# KiCad board panel.kicad_pcb (continued)
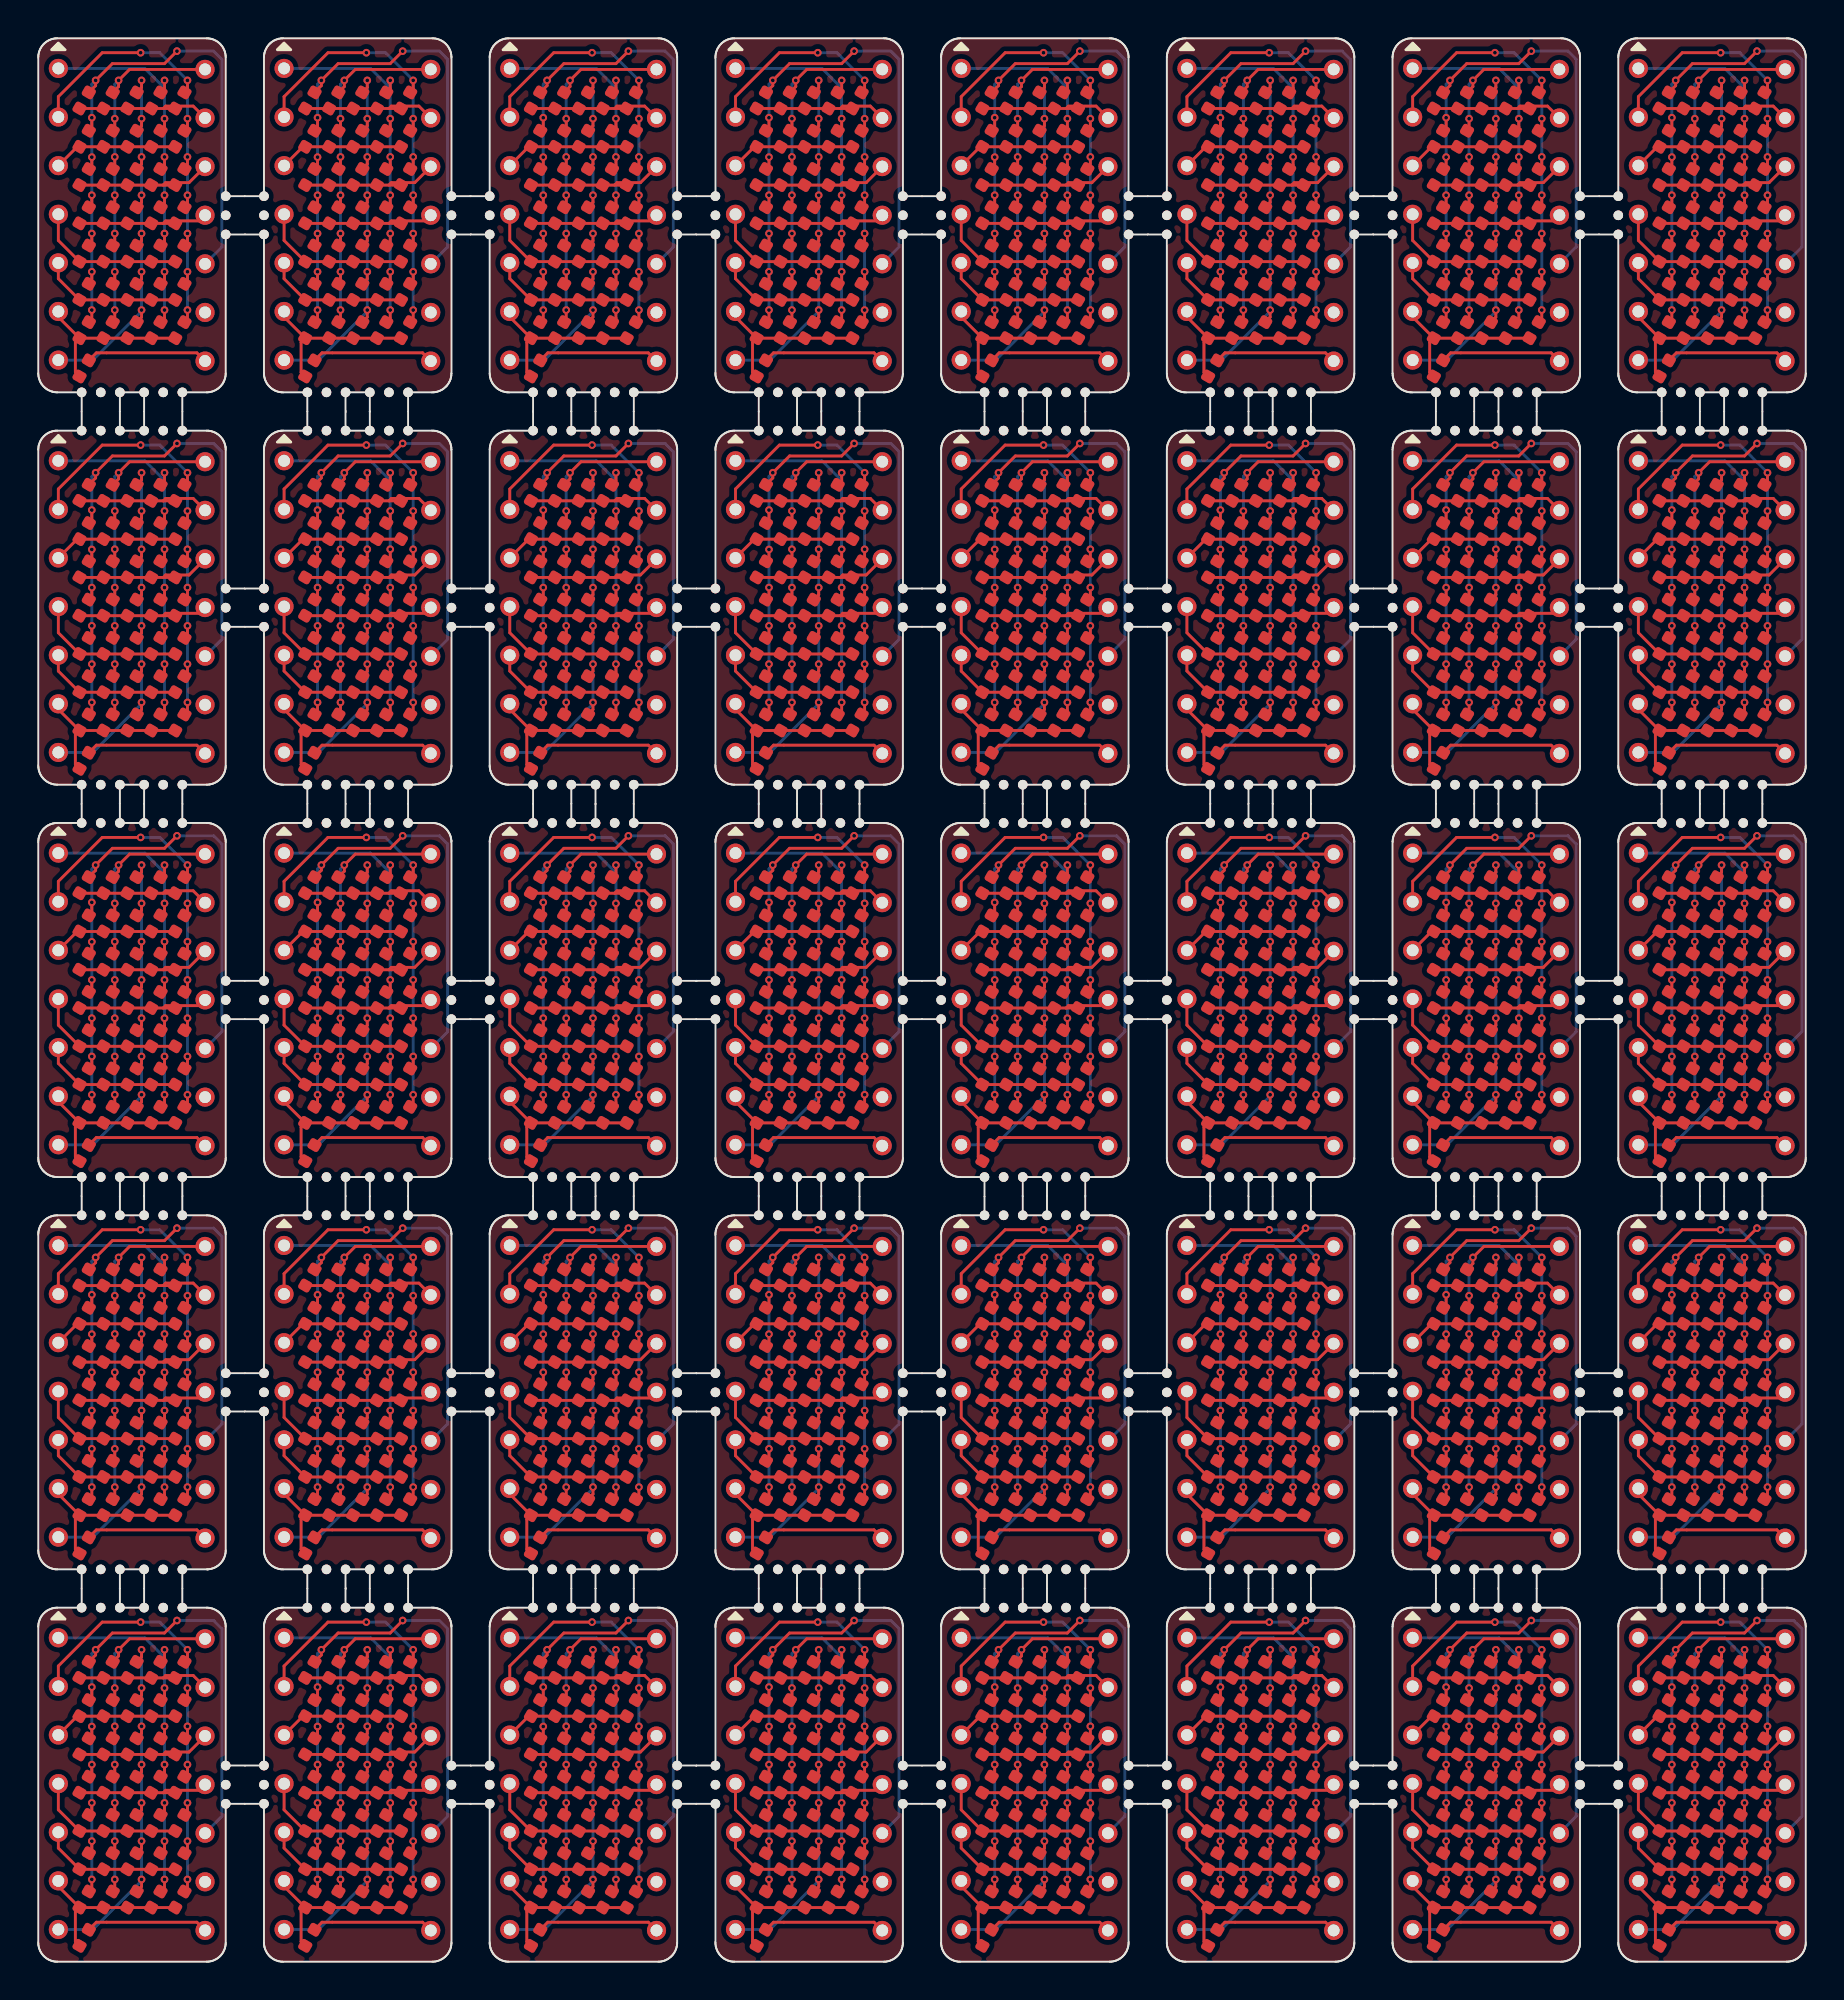
[diagram p0: board, top side]
## Placement (name value [footprint] x y rotation side) (continued)
D35#37  LED  [LED_0402_1005Metric]  7.4 5.25 60 top
D35#38  LED  [LED_0402_1005Metric]  90 87.25 60 top
D35#39  LED  [LED_0402_1005Metric]  7.4 25.75 60 top
D35#40  LED  [LED_0402_1005Metric]  42.8 25.75 60 top
D36  LED  [LED_0402_1005Metric]  90 64.75 60 top
D36#2  LED  [LED_0402_1005Metric]  19.2 44.25 60 top
D36#3  LED  [LED_0402_1005Metric]  7.4 23.75 60 top
D36#4  LED  [LED_0402_1005Metric]  42.8 23.75 60 top
D36#5  LED  [LED_0402_1005Metric]  90 85.25 60 top
D36#6  LED  [LED_0402_1005Metric]  66.4 44.25 60 top
D36#7  LED  [LED_0402_1005Metric]  31 23.75 60 top
D36#8  LED  [LED_0402_1005Metric]  54.6 85.25 60 top
D36#9  LED  [LED_0402_1005Metric]  54.6 64.75 60 top
D36#10  LED  [LED_0402_1005Metric]  42.8 64.75 60 top
D36#11  LED  [LED_0402_1005Metric]  66.4 64.75 60 top
D36#12  LED  [LED_0402_1005Metric]  54.6 23.75 60 top
D36#13  LED  [LED_0402_1005Metric]  66.4 3.25 60 top
D36#14  LED  [LED_0402_1005Metric]  19.2 3.25 60 top
D36#15  LED  [LED_0402_1005Metric]  7.4 85.25 60 top
D36#16  LED  [LED_0402_1005Metric]  66.4 23.75 60 top
D36#17  LED  [LED_0402_1005Metric]  78.2 23.75 60 top
D36#18  LED  [LED_0402_1005Metric]  78.2 3.25 60 top
D36#19  LED  [LED_0402_1005Metric]  42.8 3.25 60 top
D36#20  LED  [LED_0402_1005Metric]  19.2 64.75 60 top
D36#21  LED  [LED_0402_1005Metric]  7.4 3.25 60 top
D36#22  LED  [LED_0402_1005Metric]  90 3.25 60 top
D36#23  LED  [LED_0402_1005Metric]  7.4 64.75 60 top
D36#24  LED  [LED_0402_1005Metric]  78.2 44.25 60 top
D36#25  LED  [LED_0402_1005Metric]  31 44.25 60 top
D36#26  LED  [LED_0402_1005Metric]  19.2 23.75 60 top
D36#27  LED  [LED_0402_1005Metric]  19.2 85.25 60 top
D36#28  LED  [LED_0402_1005Metric]  31 85.25 60 top
D36#29  LED  [LED_0402_1005Metric]  90 23.75 60 top
D36#30  LED  [LED_0402_1005Metric]  78.2 64.75 60 top
D36#31  LED  [LED_0402_1005Metric]  90 44.25 60 top
D36#32  LED  [LED_0402_1005Metric]  42.8 44.25 60 top
D36#33  LED  [LED_0402_1005Metric]  31 3.25 60 top
D36#34  LED  [LED_0402_1005Metric]  31 64.75 60 top
D36#35  LED  [LED_0402_1005Metric]  54.6 3.25 60 top
D36#36  LED  [LED_0402_1005Metric]  42.8 85.25 60 top
D36#37  LED  [LED_0402_1005Metric]  78.2 85.25 60 top
D36#38  LED  [LED_0402_1005Metric]  66.4 85.25 60 top
D36#39  LED  [LED_0402_1005Metric]  7.4 44.25 60 top
D36#40  LED  [LED_0402_1005Metric]  54.6 44.25 60 top
J1  Conn_01x07  [PinHeader_1x07_P2.54mm_Vertical]  12.85 37.42 0 top
J1#2  Conn_01x07  [PinHeader_1x07_P2.54mm_Vertical]  24.65 78.42 0 top
J1#3  Conn_01x07  [PinHeader_1x07_P2.54mm_Vertical]  60.05 16.92 0 top
J1#4  Conn_01x07  [PinHeader_1x07_P2.54mm_Vertical]  71.85 57.92 0 top
J1#5  Conn_01x07  [PinHeader_1x07_P2.54mm_Vertical]  12.85 78.42 0 top
J1#6  Conn_01x07  [PinHeader_1x07_P2.54mm_Vertical]  24.65 16.92 0 top
J1#7  Conn_01x07  [PinHeader_1x07_P2.54mm_Vertical]  71.85 78.42 0 top
J1#8  Conn_01x07  [PinHeader_1x07_P2.54mm_Vertical]  71.85 98.92 0 top
J1#9  Conn_01x07  [PinHeader_1x07_P2.54mm_Vertical]  12.85 16.92 0 top
J1#10  Conn_01x07  [PinHeader_1x07_P2.54mm_Vertical]  12.85 57.92 0 top
J1#11  Conn_01x07  [PinHeader_1x07_P2.54mm_Vertical]  83.65 78.42 0 top
J1#12  Conn_01x07  [PinHeader_1x07_P2.54mm_Vertical]  60.05 57.92 0 top
J1#13  Conn_01x07  [PinHeader_1x07_P2.54mm_Vertical]  71.85 37.42 0 top
J1#14  Conn_01x07  [PinHeader_1x07_P2.54mm_Vertical]  83.65 37.42 0 top
J1#15  Conn_01x07  [PinHeader_1x07_P2.54mm_Vertical]  24.65 57.92 0 top
J1#16  Conn_01x07  [PinHeader_1x07_P2.54mm_Vertical]  24.65 37.42 0 top
J1#17  Conn_01x07  [PinHeader_1x07_P2.54mm_Vertical]  48.25 37.42 0 top
J1#18  Conn_01x07  [PinHeader_1x07_P2.54mm_Vertical]  36.45 16.92 0 top
J1#19  Conn_01x07  [PinHeader_1x07_P2.54mm_Vertical]  1.05 98.92 0 top
J1#20  Conn_01x07  [PinHeader_1x07_P2.54mm_Vertical]  12.85 98.92 0 top
J1#21  Conn_01x07  [PinHeader_1x07_P2.54mm_Vertical]  48.25 98.92 0 top
J1#22  Conn_01x07  [PinHeader_1x07_P2.54mm_Vertical]  36.45 57.92 0 top
J1#23  Conn_01x07  [PinHeader_1x07_P2.54mm_Vertical]  24.65 98.92 0 top
J1#24  Conn_01x07  [PinHeader_1x07_P2.54mm_Vertical]  36.45 78.42 0 top
J1#25  Conn_01x07  [PinHeader_1x07_P2.54mm_Vertical]  1.05 16.92 0 top
J1#26  Conn_01x07  [PinHeader_1x07_P2.54mm_Vertical]  83.65 16.92 0 top
J1#27  Conn_01x07  [PinHeader_1x07_P2.54mm_Vertical]  1.05 78.42 0 top
J1#28  Conn_01x07  [PinHeader_1x07_P2.54mm_Vertical]  1.05 57.92 0 top
J1#29  Conn_01x07  [PinHeader_1x07_P2.54mm_Vertical]  48.25 57.92 0 top
J1#30  Conn_01x07  [PinHeader_1x07_P2.54mm_Vertical]  60.05 37.42 0 top
J1#31  Conn_01x07  [PinHeader_1x07_P2.54mm_Vertical]  36.45 98.92 0 top
J1#32  Conn_01x07  [PinHeader_1x07_P2.54mm_Vertical]  83.65 98.92 0 top
J1#33  Conn_01x07  [PinHeader_1x07_P2.54mm_Vertical]  71.85 16.92 0 top
J1#34  Conn_01x07  [PinHeader_1x07_P2.54mm_Vertical]  1.05 37.42 0 top
J1#35  Conn_01x07  [PinHeader_1x07_P2.54mm_Vertical]  48.25 16.92 0 top
J1#36  Conn_01x07  [PinHeader_1x07_P2.54mm_Vertical]  83.65 57.92 0 top
J1#37  Conn_01x07  [PinHeader_1x07_P2.54mm_Vertical]  36.45 37.42 0 top
J1#38  Conn_01x07  [PinHeader_1x07_P2.54mm_Vertical]  48.25 78.42 0 top
J1#39  Conn_01x07  [PinHeader_1x07_P2.54mm_Vertical]  60.05 78.42 0 top
J1#40  Conn_01x07  [PinHeader_1x07_P2.54mm_Vertical]  60.05 98.92 0 top
J2  Conn_01x07  [PinHeader_1x07_P2.54mm_Vertical]  8.72 57.88 0 top
J2#2  Conn_01x07  [PinHeader_1x07_P2.54mm_Vertical]  32.32 98.88 0 top
J2#3  Conn_01x07  [PinHeader_1x07_P2.54mm_Vertical]  67.72 57.88 0 top
J2#4  Conn_01x07  [PinHeader_1x07_P2.54mm_Vertical]  67.72 78.38 0 top
J2#5  Conn_01x07  [PinHeader_1x07_P2.54mm_Vertical]  8.72 98.88 0 top
J2#6  Conn_01x07  [PinHeader_1x07_P2.54mm_Vertical]  44.12 16.88 0 top
J2#7  Conn_01x07  [PinHeader_1x07_P2.54mm_Vertical]  91.32 78.38 0 top
J2#8  Conn_01x07  [PinHeader_1x07_P2.54mm_Vertical]  32.32 57.88 0 top
J2#9  Conn_01x07  [PinHeader_1x07_P2.54mm_Vertical]  91.32 16.88 0 top
J2#10  Conn_01x07  [PinHeader_1x07_P2.54mm_Vertical]  79.52 98.88 0 top
J2#11  Conn_01x07  [PinHeader_1x07_P2.54mm_Vertical]  55.92 16.88 0 top
J2#12  Conn_01x07  [PinHeader_1x07_P2.54mm_Vertical]  20.52 16.88 0 top
J2#13  Conn_01x07  [PinHeader_1x07_P2.54mm_Vertical]  91.32 98.88 0 top
J2#14  Conn_01x07  [PinHeader_1x07_P2.54mm_Vertical]  79.52 37.38 0 top
J2#15  Conn_01x07  [PinHeader_1x07_P2.54mm_Vertical]  79.52 78.38 0 top
J2#16  Conn_01x07  [PinHeader_1x07_P2.54mm_Vertical]  91.32 57.88 0 top
J2#17  Conn_01x07  [PinHeader_1x07_P2.54mm_Vertical]  8.72 16.88 0 top
J2#18  Conn_01x07  [PinHeader_1x07_P2.54mm_Vertical]  67.72 37.38 0 top
J2#19  Conn_01x07  [PinHeader_1x07_P2.54mm_Vertical]  20.52 37.38 0 top
J2#20  Conn_01x07  [PinHeader_1x07_P2.54mm_Vertical]  20.52 57.88 0 top
J2#21  Conn_01x07  [PinHeader_1x07_P2.54mm_Vertical]  55.92 37.38 0 top
J2#22  Conn_01x07  [PinHeader_1x07_P2.54mm_Vertical]  32.32 78.38 0 top
J2#23  Conn_01x07  [PinHeader_1x07_P2.54mm_Vertical]  55.92 98.88 0 top
J2#24  Conn_01x07  [PinHeader_1x07_P2.54mm_Vertical]  91.32 37.38 0 top
J2#25  Conn_01x07  [PinHeader_1x07_P2.54mm_Vertical]  67.72 16.88 0 top
J2#26  Conn_01x07  [PinHeader_1x07_P2.54mm_Vertical]  44.12 78.38 0 top
J2#27  Conn_01x07  [PinHeader_1x07_P2.54mm_Vertical]  8.72 78.38 0 top
J2#28  Conn_01x07  [PinHeader_1x07_P2.54mm_Vertical]  44.12 37.38 0 top
J2#29  Conn_01x07  [PinHeader_1x07_P2.54mm_Vertical]  44.12 57.88 0 top
J2#30  Conn_01x07  [PinHeader_1x07_P2.54mm_Vertical]  32.32 37.38 0 top
J2#31  Conn_01x07  [PinHeader_1x07_P2.54mm_Vertical]  32.32 16.88 0 top
J2#32  Conn_01x07  [PinHeader_1x07_P2.54mm_Vertical]  20.52 78.38 0 top
J2#33  Conn_01x07  [PinHeader_1x07_P2.54mm_Vertical]  79.52 16.88 0 top
J2#34  Conn_01x07  [PinHeader_1x07_P2.54mm_Vertical]  55.92 78.38 0 top
J2#35  Conn_01x07  [PinHeader_1x07_P2.54mm_Vertical]  55.92 57.88 0 top
J2#36  Conn_01x07  [PinHeader_1x07_P2.54mm_Vertical]  44.12 98.88 0 top
J2#37  Conn_01x07  [PinHeader_1x07_P2.54mm_Vertical]  8.72 37.38 0 top
J2#38  Conn_01x07  [PinHeader_1x07_P2.54mm_Vertical]  79.52 57.88 0 top
J2#39  Conn_01x07  [PinHeader_1x07_P2.54mm_Vertical]  67.72 98.88 0 top
J2#40  Conn_01x07  [PinHeader_1x07_P2.54mm_Vertical]  20.52 98.88 0 top
KiKit_MB_1_1  -  [NPTH]  9.8 92.25 0 top
KiKit_MB_1_2  -  [NPTH]  9.8 91.25 0 top
KiKit_MB_1_3  -  [NPTH]  9.8 90.25 0 top
KiKit_MB_2_1  -  [NPTH]  4.27 82 0 top
KiKit_MB_2_2  -  [NPTH]  3.27 82 0 top
KiKit_MB_2_3  -  [NPTH]  2.27 82 0 top
KiKit_MB_3_1  -  [NPTH]  7.53 82 0 top
KiKit_MB_3_2  -  [NPTH]  6.53 82 0 top
KiKit_MB_3_3  -  [NPTH]  5.53 82 0 top
KiKit_MB_4_1  -  [NPTH]  11.8 90.25 0 top
KiKit_MB_4_2  -  [NPTH]  11.8 91.25 0 top
KiKit_MB_4_3  -  [NPTH]  11.8 92.25 0 top
KiKit_MB_5_1  -  [NPTH]  21.6 92.25 0 top
KiKit_MB_5_2  -  [NPTH]  21.6 91.25 0 top
KiKit_MB_5_3  -  [NPTH]  21.6 90.25 0 top
KiKit_MB_6_1  -  [NPTH]  16.07 82 0 top
KiKit_MB_6_2  -  [NPTH]  15.07 82 0 top
KiKit_MB_6_3  -  [NPTH]  14.07 82 0 top
KiKit_MB_7_1  -  [NPTH]  19.33 82 0 top
KiKit_MB_7_2  -  [NPTH]  18.33 82 0 top
KiKit_MB_7_3  -  [NPTH]  17.33 82 0 top
KiKit_MB_8_1  -  [NPTH]  23.6 90.25 0 top
KiKit_MB_8_2  -  [NPTH]  23.6 91.25 0 top
KiKit_MB_8_3  -  [NPTH]  23.6 92.25 0 top
KiKit_MB_9_1  -  [NPTH]  33.4 92.25 0 top
KiKit_MB_9_2  -  [NPTH]  33.4 91.25 0 top
KiKit_MB_9_3  -  [NPTH]  33.4 90.25 0 top
KiKit_MB_10_1  -  [NPTH]  27.87 82 0 top
KiKit_MB_10_2  -  [NPTH]  26.87 82 0 top
KiKit_MB_10_3  -  [NPTH]  25.87 82 0 top
KiKit_MB_11_1  -  [NPTH]  31.13 82 0 top
KiKit_MB_11_2  -  [NPTH]  30.13 82 0 top
KiKit_MB_11_3  -  [NPTH]  29.13 82 0 top
KiKit_MB_12_1  -  [NPTH]  35.4 90.25 0 top
KiKit_MB_12_2  -  [NPTH]  35.4 91.25 0 top
KiKit_MB_12_3  -  [NPTH]  35.4 92.25 0 top
KiKit_MB_13_1  -  [NPTH]  45.2 92.25 0 top
KiKit_MB_13_2  -  [NPTH]  45.2 91.25 0 top
KiKit_MB_13_3  -  [NPTH]  45.2 90.25 0 top
KiKit_MB_14_1  -  [NPTH]  39.67 82 0 top
KiKit_MB_14_2  -  [NPTH]  38.67 82 0 top
KiKit_MB_14_3  -  [NPTH]  37.67 82 0 top
KiKit_MB_15_1  -  [NPTH]  42.93 82 0 top
KiKit_MB_15_2  -  [NPTH]  41.93 82 0 top
KiKit_MB_15_3  -  [NPTH]  40.93 82 0 top
KiKit_MB_16_1  -  [NPTH]  47.2 90.25 0 top
KiKit_MB_16_2  -  [NPTH]  47.2 91.25 0 top
KiKit_MB_16_3  -  [NPTH]  47.2 92.25 0 top
KiKit_MB_17_1  -  [NPTH]  57 92.25 0 top
KiKit_MB_17_2  -  [NPTH]  57 91.25 0 top
KiKit_MB_17_3  -  [NPTH]  57 90.25 0 top
KiKit_MB_18_1  -  [NPTH]  51.47 82 0 top
KiKit_MB_18_2  -  [NPTH]  50.47 82 0 top
KiKit_MB_18_3  -  [NPTH]  49.47 82 0 top
KiKit_MB_19_1  -  [NPTH]  54.73 82 0 top
KiKit_MB_19_2  -  [NPTH]  53.73 82 0 top
KiKit_MB_19_3  -  [NPTH]  52.73 82 0 top
KiKit_MB_20_1  -  [NPTH]  59 90.25 0 top
KiKit_MB_20_2  -  [NPTH]  59 91.25 0 top
KiKit_MB_20_3  -  [NPTH]  59 92.25 0 top
KiKit_MB_21_1  -  [NPTH]  68.8 92.25 0 top
KiKit_MB_21_2  -  [NPTH]  68.8 91.25 0 top
KiKit_MB_21_3  -  [NPTH]  68.8 90.25 0 top
KiKit_MB_22_1  -  [NPTH]  63.27 82 0 top
KiKit_MB_22_2  -  [NPTH]  62.27 82 0 top
KiKit_MB_22_3  -  [NPTH]  61.27 82 0 top
KiKit_MB_23_1  -  [NPTH]  66.53 82 0 top
KiKit_MB_23_2  -  [NPTH]  65.53 82 0 top
KiKit_MB_23_3  -  [NPTH]  64.53 82 0 top
KiKit_MB_24_1  -  [NPTH]  70.8 90.25 0 top
KiKit_MB_24_2  -  [NPTH]  70.8 91.25 0 top
KiKit_MB_24_3  -  [NPTH]  70.8 92.25 0 top
KiKit_MB_25_1  -  [NPTH]  80.6 92.25 0 top
KiKit_MB_25_2  -  [NPTH]  80.6 91.25 0 top
KiKit_MB_25_3  -  [NPTH]  80.6 90.25 0 top
KiKit_MB_26_1  -  [NPTH]  75.07 82 0 top
KiKit_MB_26_2  -  [NPTH]  74.07 82 0 top
KiKit_MB_26_3  -  [NPTH]  73.07 82 0 top
KiKit_MB_27_1  -  [NPTH]  78.33 82 0 top
KiKit_MB_27_2  -  [NPTH]  77.33 82 0 top
KiKit_MB_27_3  -  [NPTH]  76.33 82 0 top
KiKit_MB_28_1  -  [NPTH]  82.6 90.25 0 top
KiKit_MB_28_2  -  [NPTH]  82.6 91.25 0 top
KiKit_MB_28_3  -  [NPTH]  82.6 92.25 0 top
KiKit_MB_29_1  -  [NPTH]  86.87 82 0 top
KiKit_MB_29_2  -  [NPTH]  85.87 82 0 top
KiKit_MB_29_3  -  [NPTH]  84.87 82 0 top
KiKit_MB_30_1  -  [NPTH]  90.13 82 0 top
KiKit_MB_30_2  -  [NPTH]  89.13 82 0 top
KiKit_MB_30_3  -  [NPTH]  88.13 82 0 top
KiKit_MB_31_1  -  [NPTH]  9.8 71.75 0 top
KiKit_MB_31_2  -  [NPTH]  9.8 70.75 0 top
KiKit_MB_31_3  -  [NPTH]  9.8 69.75 0 top
KiKit_MB_32_1  -  [NPTH]  2.27 80 0 top
KiKit_MB_32_2  -  [NPTH]  3.27 80 0 top
KiKit_MB_32_3  -  [NPTH]  4.27 80 0 top
KiKit_MB_33_1  -  [NPTH]  5.53 80 0 top
KiKit_MB_33_2  -  [NPTH]  6.53 80 0 top
KiKit_MB_33_3  -  [NPTH]  7.53 80 0 top
KiKit_MB_34_1  -  [NPTH]  4.27 61.5 0 top
KiKit_MB_34_2  -  [NPTH]  3.27 61.5 0 top
KiKit_MB_34_3  -  [NPTH]  2.27 61.5 0 top
KiKit_MB_35_1  -  [NPTH]  7.53 61.5 0 top
KiKit_MB_35_2  -  [NPTH]  6.53 61.5 0 top
KiKit_MB_35_3  -  [NPTH]  5.53 61.5 0 top
KiKit_MB_36_1  -  [NPTH]  11.8 69.75 0 top
KiKit_MB_36_2  -  [NPTH]  11.8 70.75 0 top
KiKit_MB_36_3  -  [NPTH]  11.8 71.75 0 top
KiKit_MB_37_1  -  [NPTH]  21.6 71.75 0 top
KiKit_MB_37_2  -  [NPTH]  21.6 70.75 0 top
KiKit_MB_37_3  -  [NPTH]  21.6 69.75 0 top
KiKit_MB_38_1  -  [NPTH]  14.07 80 0 top
KiKit_MB_38_2  -  [NPTH]  15.07 80 0 top
KiKit_MB_38_3  -  [NPTH]  16.07 80 0 top
KiKit_MB_39_1  -  [NPTH]  17.33 80 0 top
KiKit_MB_39_2  -  [NPTH]  18.33 80 0 top
KiKit_MB_39_3  -  [NPTH]  19.33 80 0 top
KiKit_MB_40_1  -  [NPTH]  16.07 61.5 0 top
KiKit_MB_40_2  -  [NPTH]  15.07 61.5 0 top
KiKit_MB_40_3  -  [NPTH]  14.07 61.5 0 top
KiKit_MB_41_1  -  [NPTH]  19.33 61.5 0 top
KiKit_MB_41_2  -  [NPTH]  18.33 61.5 0 top
KiKit_MB_41_3  -  [NPTH]  17.33 61.5 0 top
KiKit_MB_42_1  -  [NPTH]  23.6 69.75 0 top
KiKit_MB_42_2  -  [NPTH]  23.6 70.75 0 top
KiKit_MB_42_3  -  [NPTH]  23.6 71.75 0 top
KiKit_MB_43_1  -  [NPTH]  33.4 71.75 0 top
KiKit_MB_43_2  -  [NPTH]  33.4 70.75 0 top
KiKit_MB_43_3  -  [NPTH]  33.4 69.75 0 top
KiKit_MB_44_1  -  [NPTH]  25.87 80 0 top
KiKit_MB_44_2  -  [NPTH]  26.87 80 0 top
KiKit_MB_44_3  -  [NPTH]  27.87 80 0 top
KiKit_MB_45_1  -  [NPTH]  29.13 80 0 top
KiKit_MB_45_2  -  [NPTH]  30.13 80 0 top
KiKit_MB_45_3  -  [NPTH]  31.13 80 0 top
KiKit_MB_46_1  -  [NPTH]  27.87 61.5 0 top
KiKit_MB_46_2  -  [NPTH]  26.87 61.5 0 top
KiKit_MB_46_3  -  [NPTH]  25.87 61.5 0 top
KiKit_MB_47_1  -  [NPTH]  31.13 61.5 0 top
KiKit_MB_47_2  -  [NPTH]  30.13 61.5 0 top
KiKit_MB_47_3  -  [NPTH]  29.13 61.5 0 top
KiKit_MB_48_1  -  [NPTH]  35.4 69.75 0 top
KiKit_MB_48_2  -  [NPTH]  35.4 70.75 0 top
KiKit_MB_48_3  -  [NPTH]  35.4 71.75 0 top
KiKit_MB_49_1  -  [NPTH]  45.2 71.75 0 top
KiKit_MB_49_2  -  [NPTH]  45.2 70.75 0 top
KiKit_MB_49_3  -  [NPTH]  45.2 69.75 0 top
KiKit_MB_50_1  -  [NPTH]  37.67 80 0 top
KiKit_MB_50_2  -  [NPTH]  38.67 80 0 top
KiKit_MB_50_3  -  [NPTH]  39.67 80 0 top
KiKit_MB_51_1  -  [NPTH]  40.93 80 0 top
KiKit_MB_51_2  -  [NPTH]  41.93 80 0 top
KiKit_MB_51_3  -  [NPTH]  42.93 80 0 top
KiKit_MB_52_1  -  [NPTH]  39.67 61.5 0 top
KiKit_MB_52_2  -  [NPTH]  38.67 61.5 0 top
KiKit_MB_52_3  -  [NPTH]  37.67 61.5 0 top
KiKit_MB_53_1  -  [NPTH]  42.93 61.5 0 top
KiKit_MB_53_2  -  [NPTH]  41.93 61.5 0 top
KiKit_MB_53_3  -  [NPTH]  40.93 61.5 0 top
KiKit_MB_54_1  -  [NPTH]  47.2 69.75 0 top
KiKit_MB_54_2  -  [NPTH]  47.2 70.75 0 top
KiKit_MB_54_3  -  [NPTH]  47.2 71.75 0 top
KiKit_MB_55_1  -  [NPTH]  57 71.75 0 top
KiKit_MB_55_2  -  [NPTH]  57 70.75 0 top
KiKit_MB_55_3  -  [NPTH]  57 69.75 0 top
KiKit_MB_56_1  -  [NPTH]  49.47 80 0 top
KiKit_MB_56_2  -  [NPTH]  50.47 80 0 top
KiKit_MB_56_3  -  [NPTH]  51.47 80 0 top
KiKit_MB_57_1  -  [NPTH]  52.73 80 0 top
KiKit_MB_57_2  -  [NPTH]  53.73 80 0 top
KiKit_MB_57_3  -  [NPTH]  54.73 80 0 top
KiKit_MB_58_1  -  [NPTH]  51.47 61.5 0 top
KiKit_MB_58_2  -  [NPTH]  50.47 61.5 0 top
KiKit_MB_58_3  -  [NPTH]  49.47 61.5 0 top
KiKit_MB_59_1  -  [NPTH]  54.73 61.5 0 top
KiKit_MB_59_2  -  [NPTH]  53.73 61.5 0 top
KiKit_MB_59_3  -  [NPTH]  52.73 61.5 0 top
KiKit_MB_60_1  -  [NPTH]  59 69.75 0 top
KiKit_MB_60_2  -  [NPTH]  59 70.75 0 top
KiKit_MB_60_3  -  [NPTH]  59 71.75 0 top
KiKit_MB_61_1  -  [NPTH]  68.8 71.75 0 top
KiKit_MB_61_2  -  [NPTH]  68.8 70.75 0 top
KiKit_MB_61_3  -  [NPTH]  68.8 69.75 0 top
KiKit_MB_62_1  -  [NPTH]  61.27 80 0 top
KiKit_MB_62_2  -  [NPTH]  62.27 80 0 top
KiKit_MB_62_3  -  [NPTH]  63.27 80 0 top
KiKit_MB_63_1  -  [NPTH]  64.53 80 0 top
KiKit_MB_63_2  -  [NPTH]  65.53 80 0 top
KiKit_MB_63_3  -  [NPTH]  66.53 80 0 top
KiKit_MB_64_1  -  [NPTH]  63.27 61.5 0 top
KiKit_MB_64_2  -  [NPTH]  62.27 61.5 0 top
KiKit_MB_64_3  -  [NPTH]  61.27 61.5 0 top
KiKit_MB_65_1  -  [NPTH]  66.53 61.5 0 top
KiKit_MB_65_2  -  [NPTH]  65.53 61.5 0 top
KiKit_MB_65_3  -  [NPTH]  64.53 61.5 0 top
KiKit_MB_66_1  -  [NPTH]  70.8 69.75 0 top
KiKit_MB_66_2  -  [NPTH]  70.8 70.75 0 top
KiKit_MB_66_3  -  [NPTH]  70.8 71.75 0 top
KiKit_MB_67_1  -  [NPTH]  80.6 71.75 0 top
KiKit_MB_67_2  -  [NPTH]  80.6 70.75 0 top
KiKit_MB_67_3  -  [NPTH]  80.6 69.75 0 top
KiKit_MB_68_1  -  [NPTH]  73.07 80 0 top
KiKit_MB_68_2  -  [NPTH]  74.07 80 0 top
KiKit_MB_68_3  -  [NPTH]  75.07 80 0 top
KiKit_MB_69_1  -  [NPTH]  76.33 80 0 top
KiKit_MB_69_2  -  [NPTH]  77.33 80 0 top
KiKit_MB_69_3  -  [NPTH]  78.33 80 0 top
KiKit_MB_70_1  -  [NPTH]  75.07 61.5 0 top
KiKit_MB_70_2  -  [NPTH]  74.07 61.5 0 top
KiKit_MB_70_3  -  [NPTH]  73.07 61.5 0 top
KiKit_MB_71_1  -  [NPTH]  78.33 61.5 0 top
KiKit_MB_71_2  -  [NPTH]  77.33 61.5 0 top
KiKit_MB_71_3  -  [NPTH]  76.33 61.5 0 top
KiKit_MB_72_1  -  [NPTH]  82.6 69.75 0 top
KiKit_MB_72_2  -  [NPTH]  82.6 70.75 0 top
KiKit_MB_72_3  -  [NPTH]  82.6 71.75 0 top
KiKit_MB_73_1  -  [NPTH]  84.87 80 0 top
KiKit_MB_73_2  -  [NPTH]  85.87 80 0 top
KiKit_MB_73_3  -  [NPTH]  86.87 80 0 top
KiKit_MB_74_1  -  [NPTH]  88.13 80 0 top
KiKit_MB_74_2  -  [NPTH]  89.13 80 0 top
KiKit_MB_74_3  -  [NPTH]  90.13 80 0 top
KiKit_MB_75_1  -  [NPTH]  86.87 61.5 0 top
KiKit_MB_75_2  -  [NPTH]  85.87 61.5 0 top
KiKit_MB_75_3  -  [NPTH]  84.87 61.5 0 top
KiKit_MB_76_1  -  [NPTH]  90.13 61.5 0 top
KiKit_MB_76_2  -  [NPTH]  89.13 61.5 0 top
KiKit_MB_76_3  -  [NPTH]  88.13 61.5 0 top
KiKit_MB_77_1  -  [NPTH]  9.8 51.25 0 top
KiKit_MB_77_2  -  [NPTH]  9.8 50.25 0 top
KiKit_MB_77_3  -  [NPTH]  9.8 49.25 0 top
KiKit_MB_78_1  -  [NPTH]  2.27 59.5 0 top
KiKit_MB_78_2  -  [NPTH]  3.27 59.5 0 top
KiKit_MB_78_3  -  [NPTH]  4.27 59.5 0 top
KiKit_MB_79_1  -  [NPTH]  5.53 59.5 0 top
KiKit_MB_79_2  -  [NPTH]  6.53 59.5 0 top
KiKit_MB_79_3  -  [NPTH]  7.53 59.5 0 top
KiKit_MB_80_1  -  [NPTH]  4.27 41 0 top
KiKit_MB_80_2  -  [NPTH]  3.27 41 0 top
KiKit_MB_80_3  -  [NPTH]  2.27 41 0 top
KiKit_MB_81_1  -  [NPTH]  7.53 41 0 top
KiKit_MB_81_2  -  [NPTH]  6.53 41 0 top
KiKit_MB_81_3  -  [NPTH]  5.53 41 0 top
KiKit_MB_82_1  -  [NPTH]  11.8 49.25 0 top
KiKit_MB_82_2  -  [NPTH]  11.8 50.25 0 top
KiKit_MB_82_3  -  [NPTH]  11.8 51.25 0 top
KiKit_MB_83_1  -  [NPTH]  21.6 51.25 0 top
KiKit_MB_83_2  -  [NPTH]  21.6 50.25 0 top
KiKit_MB_83_3  -  [NPTH]  21.6 49.25 0 top
KiKit_MB_84_1  -  [NPTH]  14.07 59.5 0 top
KiKit_MB_84_2  -  [NPTH]  15.07 59.5 0 top
KiKit_MB_84_3  -  [NPTH]  16.07 59.5 0 top
KiKit_MB_85_1  -  [NPTH]  17.33 59.5 0 top
KiKit_MB_85_2  -  [NPTH]  18.33 59.5 0 top
KiKit_MB_85_3  -  [NPTH]  19.33 59.5 0 top
KiKit_MB_86_1  -  [NPTH]  16.07 41 0 top
KiKit_MB_86_2  -  [NPTH]  15.07 41 0 top
KiKit_MB_86_3  -  [NPTH]  14.07 41 0 top
KiKit_MB_87_1  -  [NPTH]  19.33 41 0 top
KiKit_MB_87_2  -  [NPTH]  18.33 41 0 top
KiKit_MB_87_3  -  [NPTH]  17.33 41 0 top
KiKit_MB_88_1  -  [NPTH]  23.6 49.25 0 top
KiKit_MB_88_2  -  [NPTH]  23.6 50.25 0 top
KiKit_MB_88_3  -  [NPTH]  23.6 51.25 0 top
KiKit_MB_89_1  -  [NPTH]  33.4 51.25 0 top
KiKit_MB_89_2  -  [NPTH]  33.4 50.25 0 top
KiKit_MB_89_3  -  [NPTH]  33.4 49.25 0 top
KiKit_MB_90_1  -  [NPTH]  25.87 59.5 0 top
KiKit_MB_90_2  -  [NPTH]  26.87 59.5 0 top
KiKit_MB_90_3  -  [NPTH]  27.87 59.5 0 top
KiKit_MB_91_1  -  [NPTH]  29.13 59.5 0 top
KiKit_MB_91_2  -  [NPTH]  30.13 59.5 0 top
KiKit_MB_91_3  -  [NPTH]  31.13 59.5 0 top
KiKit_MB_92_1  -  [NPTH]  27.87 41 0 top
KiKit_MB_92_2  -  [NPTH]  26.87 41 0 top
KiKit_MB_92_3  -  [NPTH]  25.87 41 0 top
KiKit_MB_93_1  -  [NPTH]  31.13 41 0 top
KiKit_MB_93_2  -  [NPTH]  30.13 41 0 top
KiKit_MB_93_3  -  [NPTH]  29.13 41 0 top
KiKit_MB_94_1  -  [NPTH]  35.4 49.25 0 top
KiKit_MB_94_2  -  [NPTH]  35.4 50.25 0 top
KiKit_MB_94_3  -  [NPTH]  35.4 51.25 0 top
KiKit_MB_95_1  -  [NPTH]  45.2 51.25 0 top
KiKit_MB_95_2  -  [NPTH]  45.2 50.25 0 top
KiKit_MB_95_3  -  [NPTH]  45.2 49.25 0 top
KiKit_MB_96_1  -  [NPTH]  37.67 59.5 0 top
KiKit_MB_96_2  -  [NPTH]  38.67 59.5 0 top
KiKit_MB_96_3  -  [NPTH]  39.67 59.5 0 top
KiKit_MB_97_1  -  [NPTH]  40.93 59.5 0 top
KiKit_MB_97_2  -  [NPTH]  41.93 59.5 0 top
KiKit_MB_97_3  -  [NPTH]  42.93 59.5 0 top
KiKit_MB_98_1  -  [NPTH]  39.67 41 0 top
KiKit_MB_98_2  -  [NPTH]  38.67 41 0 top
KiKit_MB_98_3  -  [NPTH]  37.67 41 0 top
KiKit_MB_99_1  -  [NPTH]  42.93 41 0 top
KiKit_MB_99_2  -  [NPTH]  41.93 41 0 top
KiKit_MB_99_3  -  [NPTH]  40.93 41 0 top
KiKit_MB_100_1  -  [NPTH]  47.2 49.25 0 top
KiKit_MB_100_2  -  [NPTH]  47.2 50.25 0 top
KiKit_MB_100_3  -  [NPTH]  47.2 51.25 0 top
KiKit_MB_101_1  -  [NPTH]  57 51.25 0 top
KiKit_MB_101_2  -  [NPTH]  57 50.25 0 top
KiKit_MB_101_3  -  [NPTH]  57 49.25 0 top
KiKit_MB_102_1  -  [NPTH]  49.47 59.5 0 top
KiKit_MB_102_2  -  [NPTH]  50.47 59.5 0 top
KiKit_MB_102_3  -  [NPTH]  51.47 59.5 0 top
KiKit_MB_103_1  -  [NPTH]  52.73 59.5 0 top
KiKit_MB_103_2  -  [NPTH]  53.73 59.5 0 top
KiKit_MB_103_3  -  [NPTH]  54.73 59.5 0 top
KiKit_MB_104_1  -  [NPTH]  51.47 41 0 top
KiKit_MB_104_2  -  [NPTH]  50.47 41 0 top
KiKit_MB_104_3  -  [NPTH]  49.47 41 0 top
KiKit_MB_105_1  -  [NPTH]  54.73 41 0 top
KiKit_MB_105_2  -  [NPTH]  53.73 41 0 top
KiKit_MB_105_3  -  [NPTH]  52.73 41 0 top
KiKit_MB_106_1  -  [NPTH]  59 49.25 0 top
KiKit_MB_106_2  -  [NPTH]  59 50.25 0 top
KiKit_MB_106_3  -  [NPTH]  59 51.25 0 top
KiKit_MB_107_1  -  [NPTH]  68.8 51.25 0 top
KiKit_MB_107_2  -  [NPTH]  68.8 50.25 0 top
KiKit_MB_107_3  -  [NPTH]  68.8 49.25 0 top
KiKit_MB_108_1  -  [NPTH]  61.27 59.5 0 top
KiKit_MB_108_2  -  [NPTH]  62.27 59.5 0 top
KiKit_MB_108_3  -  [NPTH]  63.27 59.5 0 top
KiKit_MB_109_1  -  [NPTH]  64.53 59.5 0 top
KiKit_MB_109_2  -  [NPTH]  65.53 59.5 0 top
KiKit_MB_109_3  -  [NPTH]  66.53 59.5 0 top
KiKit_MB_110_1  -  [NPTH]  63.27 41 0 top
KiKit_MB_110_2  -  [NPTH]  62.27 41 0 top
KiKit_MB_110_3  -  [NPTH]  61.27 41 0 top
KiKit_MB_111_1  -  [NPTH]  66.53 41 0 top
KiKit_MB_111_2  -  [NPTH]  65.53 41 0 top
KiKit_MB_111_3  -  [NPTH]  64.53 41 0 top
KiKit_MB_112_1  -  [NPTH]  70.8 49.25 0 top
KiKit_MB_112_2  -  [NPTH]  70.8 50.25 0 top
KiKit_MB_112_3  -  [NPTH]  70.8 51.25 0 top
KiKit_MB_113_1  -  [NPTH]  80.6 51.25 0 top
KiKit_MB_113_2  -  [NPTH]  80.6 50.25 0 top
KiKit_MB_113_3  -  [NPTH]  80.6 49.25 0 top
KiKit_MB_114_1  -  [NPTH]  73.07 59.5 0 top
KiKit_MB_114_2  -  [NPTH]  74.07 59.5 0 top
KiKit_MB_114_3  -  [NPTH]  75.07 59.5 0 top
KiKit_MB_115_1  -  [NPTH]  76.33 59.5 0 top
KiKit_MB_115_2  -  [NPTH]  77.33 59.5 0 top
KiKit_MB_115_3  -  [NPTH]  78.33 59.5 0 top
KiKit_MB_116_1  -  [NPTH]  75.07 41 0 top
KiKit_MB_116_2  -  [NPTH]  74.07 41 0 top
KiKit_MB_116_3  -  [NPTH]  73.07 41 0 top
KiKit_MB_117_1  -  [NPTH]  78.33 41 0 top
KiKit_MB_117_2  -  [NPTH]  77.33 41 0 top
KiKit_MB_117_3  -  [NPTH]  76.33 41 0 top
KiKit_MB_118_1  -  [NPTH]  82.6 49.25 0 top
KiKit_MB_118_2  -  [NPTH]  82.6 50.25 0 top
KiKit_MB_118_3  -  [NPTH]  82.6 51.25 0 top
KiKit_MB_119_1  -  [NPTH]  84.87 59.5 0 top
KiKit_MB_119_2  -  [NPTH]  85.87 59.5 0 top
KiKit_MB_119_3  -  [NPTH]  86.87 59.5 0 top
KiKit_MB_120_1  -  [NPTH]  88.13 59.5 0 top
KiKit_MB_120_2  -  [NPTH]  89.13 59.5 0 top
KiKit_MB_120_3  -  [NPTH]  90.13 59.5 0 top
KiKit_MB_121_1  -  [NPTH]  86.87 41 0 top
KiKit_MB_121_2  -  [NPTH]  85.87 41 0 top
KiKit_MB_121_3  -  [NPTH]  84.87 41 0 top
KiKit_MB_122_1  -  [NPTH]  90.13 41 0 top
KiKit_MB_122_2  -  [NPTH]  89.13 41 0 top
KiKit_MB_122_3  -  [NPTH]  88.13 41 0 top
KiKit_MB_123_1  -  [NPTH]  9.8 30.75 0 top
KiKit_MB_123_2  -  [NPTH]  9.8 29.75 0 top
KiKit_MB_123_3  -  [NPTH]  9.8 28.75 0 top
KiKit_MB_124_1  -  [NPTH]  2.27 39 0 top
KiKit_MB_124_2  -  [NPTH]  3.27 39 0 top
KiKit_MB_124_3  -  [NPTH]  4.27 39 0 top
KiKit_MB_125_1  -  [NPTH]  5.53 39 0 top
KiKit_MB_125_2  -  [NPTH]  6.53 39 0 top
KiKit_MB_125_3  -  [NPTH]  7.53 39 0 top
KiKit_MB_126_1  -  [NPTH]  4.27 20.5 0 top
KiKit_MB_126_2  -  [NPTH]  3.27 20.5 0 top
KiKit_MB_126_3  -  [NPTH]  2.27 20.5 0 top
KiKit_MB_127_1  -  [NPTH]  7.53 20.5 0 top
KiKit_MB_127_2  -  [NPTH]  6.53 20.5 0 top
KiKit_MB_127_3  -  [NPTH]  5.53 20.5 0 top
KiKit_MB_128_1  -  [NPTH]  11.8 28.75 0 top
KiKit_MB_128_2  -  [NPTH]  11.8 29.75 0 top
KiKit_MB_128_3  -  [NPTH]  11.8 30.75 0 top
KiKit_MB_129_1  -  [NPTH]  21.6 30.75 0 top
KiKit_MB_129_2  -  [NPTH]  21.6 29.75 0 top
KiKit_MB_129_3  -  [NPTH]  21.6 28.75 0 top
KiKit_MB_130_1  -  [NPTH]  14.07 39 0 top
KiKit_MB_130_2  -  [NPTH]  15.07 39 0 top
KiKit_MB_130_3  -  [NPTH]  16.07 39 0 top
KiKit_MB_131_1  -  [NPTH]  17.33 39 0 top
KiKit_MB_131_2  -  [NPTH]  18.33 39 0 top
KiKit_MB_131_3  -  [NPTH]  19.33 39 0 top
KiKit_MB_132_1  -  [NPTH]  16.07 20.5 0 top
KiKit_MB_132_2  -  [NPTH]  15.07 20.5 0 top
KiKit_MB_132_3  -  [NPTH]  14.07 20.5 0 top
KiKit_MB_133_1  -  [NPTH]  19.33 20.5 0 top
KiKit_MB_133_2  -  [NPTH]  18.33 20.5 0 top
KiKit_MB_133_3  -  [NPTH]  17.33 20.5 0 top
KiKit_MB_134_1  -  [NPTH]  23.6 28.75 0 top
KiKit_MB_134_2  -  [NPTH]  23.6 29.75 0 top
